# Altium PCB Kasli-DIOT.PCBDOC (part 20 of 21)
Units mm, origin at the board's own origin, x right, y up, seen from the top; angles counter-clockwise.
Board outline 222.34 x 100 mm, 10 copper layers (TopLayer, Layer 2, Layer 3, Layer 4, Layer 5, Layer 6, Layer 7, layer 8, Layer 9, BottomLayer), stack 1.564 mm thick; 974 components, 908 nets, 4662 pads, 2649 vias.
Unrouted connection lines stored in the file: 17.
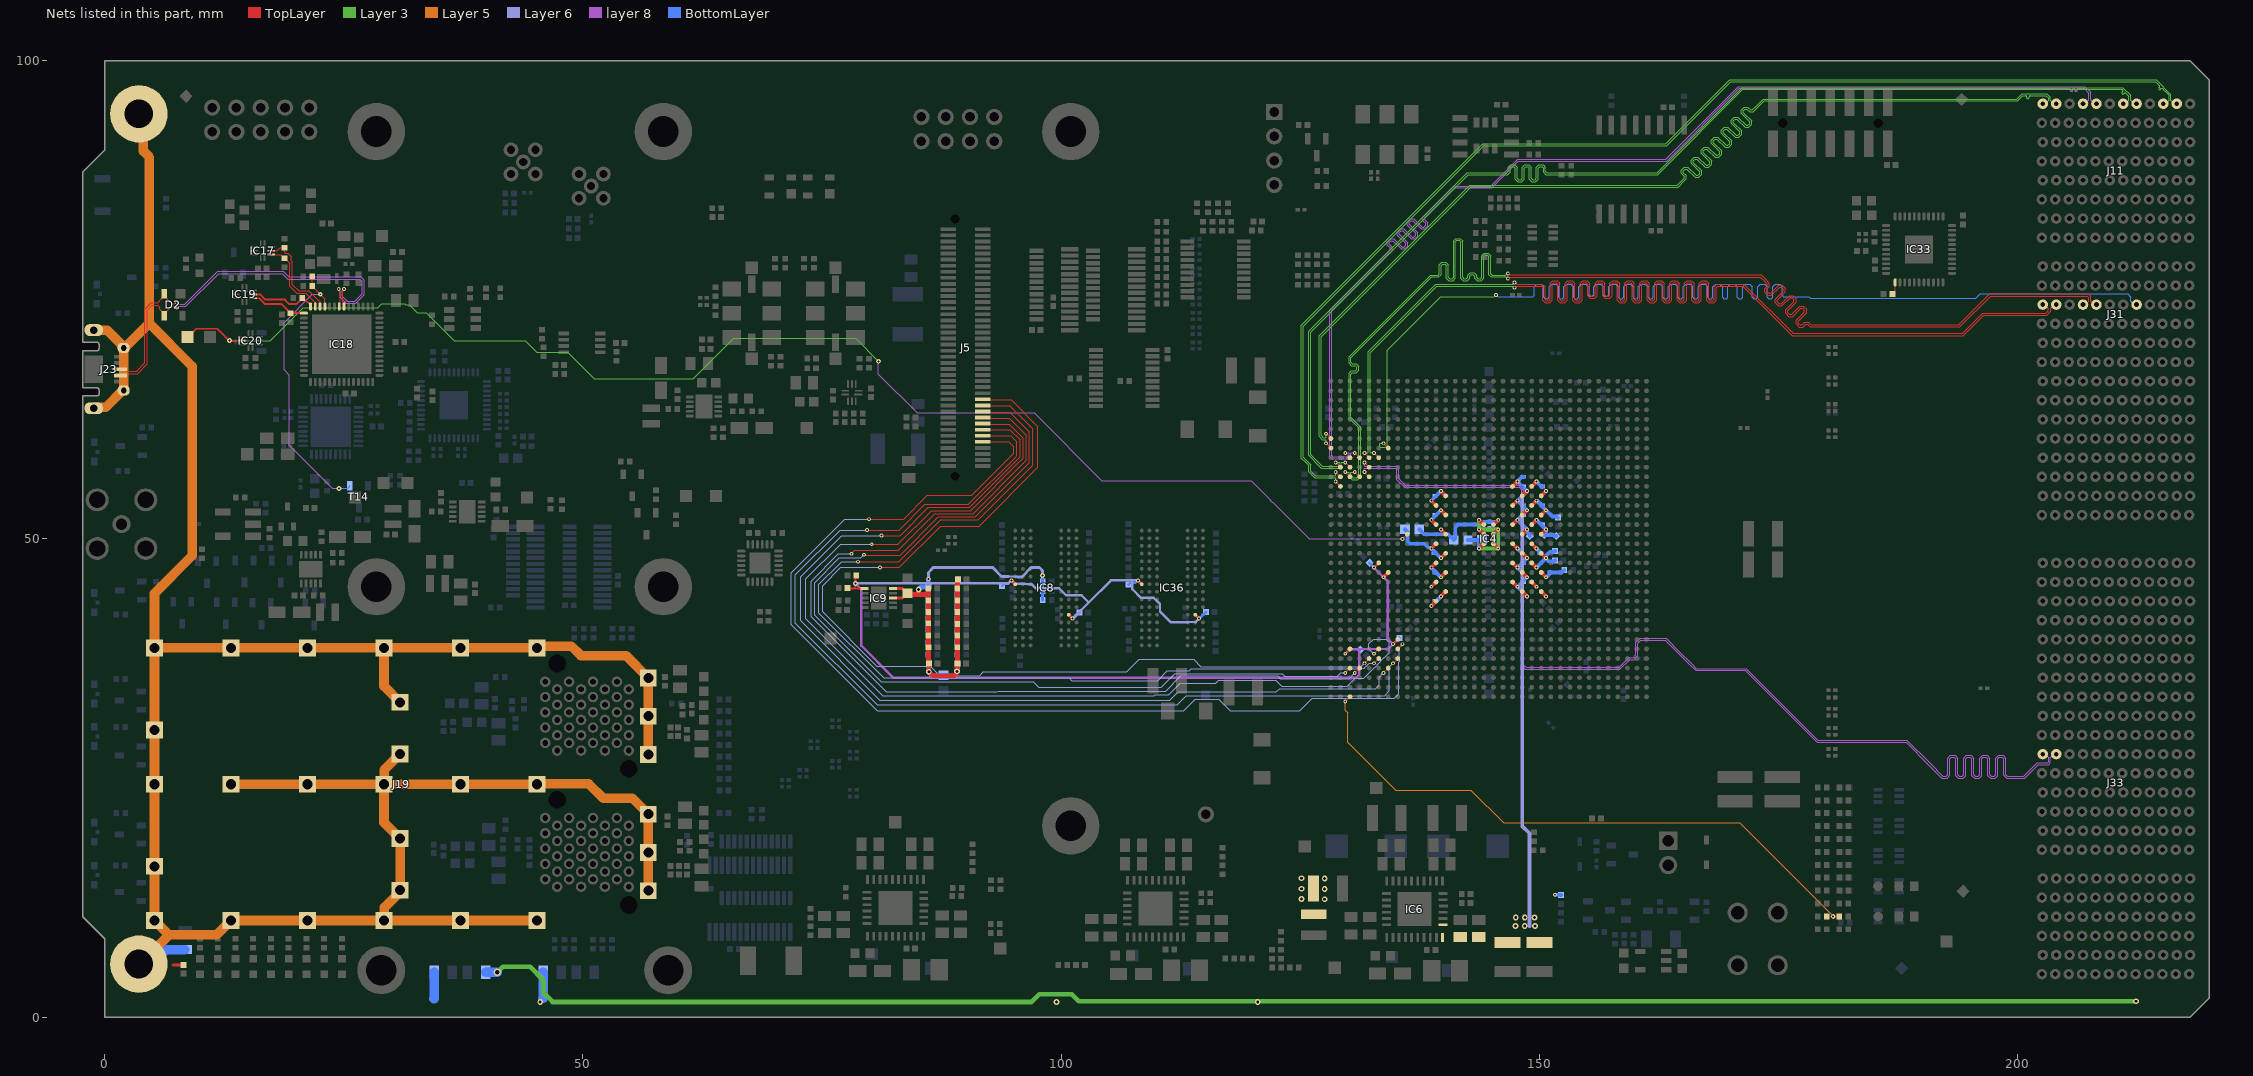
[diagram p28: the nets of this part, all layers, seen from the top]

## Via types
v1: diameter 0.4, hole 0.2, TopLayer to BottomLayer, tented both sides, 1661 vias
v2: diameter 0.5, hole 0.2, TopLayer to BottomLayer, tented both sides, 516 vias
v3: diameter 0.6, hole 0.3, TopLayer to BottomLayer, tented both sides, 175 vias
v4: diameter 0.6, hole 0.3, TopLayer to BottomLayer, 113 vias
v5: diameter 0.5, hole 0.2, TopLayer to BottomLayer, 110 vias
v6: diameter 0.4, hole 0.2, TopLayer to BottomLayer, 67 vias
v7: diameter 0.8, hole 0.5, TopLayer to BottomLayer, tented both sides, 7 vias

## Nets (pads, with @x,y where several pads share a name; then routed paths per layer and width w, separated by ;. In a path a pad name is that pad's centre, name@x,y a point inside that pad or via, vN(x,y) a via of type N, cw(c..) or ccw(c..) an arc to the next point about the centre after c; other vN are vias at no path point) (continued)
SLOT8.LVDS_8_P: IC4.H7 J31.E4 | length 134.8
  TopLayer w0.095: v1(133.7,60) IC4.H7@134.2,59.5
  Layer 3 w0.075: v1(133.7,60) 133.345,60 133.301,59.956 133.301,59.684 133.385,59.6 133.9,59.6 134.098,59.798 134.098,69.75 139.684,75.336 145.26,75.336 145.422,75.498 v1(145.466,75.498)
  BottomLayer w0.095: v1(145.466,75.498) 145.522,75.498 145.674,75.346 149.176,75.346 149.2,75.322 149.313,75.322 149.452,75.461 149.452,76.347 149.721,76.616 150.183,76.616 150.453,76.347 150.453,75.274 150.592,75.135 150.871,75.135 151.01,75.274 151.01,76.347 151.279,76.616 151.741,76.616 152.011,76.347 152.011,75.274 152.15,75.135 152.429,75.135 152.568,75.274 152.568,76.347 152.837,76.616 153.3,76.616 153.569,76.347 153.569,75.274 153.708,75.135 153.987,75.135 154.126,75.274 154.126,76.347 154.395,76.616 154.858,76.616 155.127,76.347 155.127,75.541 155.266,75.402 155.545,75.402 155.684,75.541 155.684,76.347 155.953,76.616 156.416,76.616 156.685,76.347 156.685,75.541 156.824,75.402 157.103,75.402 157.242,75.541 157.242,76.347 157.511,76.616 157.974,76.616 158.243,76.347 158.243,75.274 158.382,75.135 158.661,75.135 158.8,75.274 158.8,76.347 159.069,76.616 159.532,76.616 159.801,76.347 159.801,75.274 159.94,75.135 160.219,75.135 160.358,75.274 160.358,76.347 160.627,76.616 161.09,76.616 161.359,76.347 161.359,75.274 161.498,75.135 161.777,75.135 161.916,75.274 161.916,76.347 162.185,76.616 162.648,76.616 162.917,76.347 162.917,75.274 163.056,75.135 163.335,75.135 163.474,75.274 163.474,76.347 163.743,76.616 164.206,76.616 164.475,76.347 164.475,75.274 164.614,75.135 164.893,75.135 165.032,75.274 165.032,76.347 165.301,76.616 165.764,76.616 166.033,76.347 166.033,75.274 166.172,75.135 166.451,75.135 166.59,75.274 166.59,76.347 166.859,76.616 167.322,76.616 167.591,76.347 167.591,75.274 167.73,75.135 168.009,75.135 168.148,75.274 168.148,76.347 168.417,76.616 168.88,76.616 169.149,76.347 169.149,75.274 169.288,75.135 169.567,75.135 169.706,75.274 169.706,76.347 169.975,76.616 170.438,76.616 170.707,76.347 170.707,75.274 170.846,75.135 171.125,75.135 171.264,75.274 171.264,76.347 171.533,76.616 171.996,76.616 172.265,76.347 172.265,75.274 172.404,75.135 172.683,75.135 172.822,75.274 172.822,76.347 173.091,76.616 173.554,76.616 173.823,76.347 173.823,75.274 173.962,75.135 174.241,75.135 174.38,75.274 174.38,76.347 174.649,76.616 175.112,76.616 175.381,76.347 175.381,75.461 175.52,75.322 176.341,75.322 178.178,75.322 178.35,75.15 195.636,75.15 196.108,75.622 211.493,75.622 211.85,75.266 211.85,74.857 212.207,74.5 J31.E4@212.439,74.5
SLOT8.LVDS_9_N: IC4.L3 J31.I4 | length 127.6
  TopLayer w0.095: v1(129.7,57) IC4.L3@130.2,56.5 ; v1(146.7,77.232) 146.756,77.232 146.908,77.385 173.101,77.385 173.385,77.101 173.837,76.649 173.837,76.452 173.554,76.17 173.554,75.789 173.881,75.462 174.262,75.462 175.116,76.316 175.313,76.316 175.51,76.119 175.51,75.922 174.656,75.068 174.656,74.687 174.983,74.36 175.364,74.36 176.218,75.214 176.415,75.214 176.612,75.017 176.612,74.82 175.758,73.966 175.758,73.586 176.085,73.259 176.466,73.259 177.319,74.112 177.516,74.112 177.713,73.915 177.713,73.719 176.859,72.865 176.859,72.484 177.186,72.157 177.567,72.157 177.85,72.439 178.047,72.439 178.126,72.36 178.249,72.237 178.314,72.172 193.947,72.172 197.172,75.397 207.305,75.397 207.428,75.274 207.428,74.857 207.071,74.5 J31.I4@206.839,74.5
  Layer 3 w0.075: v1(129.7,57) 130.055,57 130.099,56.956 130.099,56.516 130.417,56.198 130.984,56.198 131.302,56.516 131.302,61.698 131.184,61.816 130.3,62.7 130.3,66.584 130.3,67.242 130.434,67.376 130.855,67.376 131.108,67.628 131.108,68.064 130.855,68.317 130.434,68.317 130.3,68.451 130.3,68.548 130.3,68.967 138.724,77.391 139.315,77.391 139.496,77.391 139.748,77.643 139.748,78.584 139.883,78.718 140.151,78.718 140.285,78.584 140.285,77.264 140.538,77.011 140.974,77.011 141.226,77.264 141.226,81.075 141.361,81.209 141.629,81.209 141.763,81.075 141.763,77.264 142.016,77.011 142.452,77.011 142.704,77.264 142.704,77.493 142.839,77.627 143.107,77.627 143.241,77.493 143.241,77.264 143.494,77.011 143.93,77.011 144.182,77.264 144.182,79.518 144.317,79.652 144.585,79.652 144.719,79.518 144.719,77.643 144.972,77.391 145.313,77.391 146.199,77.391 146.204,77.395 146.379,77.395 cw(c146.379,77.118) 146.468,77.38 cw(c146.379,77.118) 146.575,77.314 146.625,77.264 ccw(c146.7,77.339) v1(146.7,77.232)
SLOT8.LVDS_9_P: IC4.L4 J31.H4 | length 127.7
  TopLayer w0.095: v1(130.7,57) IC4.L4@131.2,56.5 ; v1(146.7,77.759) 146.756,77.759 146.908,77.607 173.003,77.607 173.193,77.607 173.542,77.258 174.059,76.741 174.059,76.36 173.776,76.078 173.776,75.881 173.973,75.684 174.17,75.684 175.024,76.538 175.405,76.538 175.732,76.211 175.732,75.83 174.878,74.976 174.878,74.779 175.075,74.582 175.272,74.582 176.126,75.436 176.507,75.436 176.834,75.109 176.834,74.728 175.98,73.874 175.98,73.678 176.177,73.481 176.374,73.481 177.227,74.334 177.608,74.334 177.935,74.007 177.935,73.627 177.081,72.773 177.081,72.576 177.278,72.379 177.475,72.379 177.758,72.661 178.139,72.661 178.204,72.596 178.283,72.517 178.406,72.394 193.855,72.394 197.08,75.619 207.397,75.619 207.65,75.366 207.65,74.857 208.007,74.5 J31.H4@208.239,74.5
  Layer 3 w0.075: v1(130.7,57) 130.345,57 130.301,56.956 130.301,56.6 130.501,56.4 130.9,56.4 131.1,56.6 131.1,61.614 130.216,62.498 130.098,62.616 130.098,66.584 130.098,67.325 130.351,67.578 130.772,67.578 130.906,67.712 130.906,67.981 130.772,68.115 130.351,68.115 130.098,68.367 130.098,68.548 130.098,69.05 138.641,77.593 139.315,77.593 139.412,77.593 139.546,77.727 139.546,78.668 139.799,78.92 140.235,78.92 140.487,78.668 140.487,77.347 140.622,77.213 140.89,77.213 141.024,77.347 141.024,81.159 141.277,81.411 141.713,81.411 141.965,81.159 141.965,77.347 142.1,77.213 142.368,77.213 142.502,77.347 142.502,77.576 142.755,77.829 143.191,77.829 143.443,77.576 143.443,77.347 143.578,77.213 143.846,77.213 143.98,77.347 143.98,79.601 144.233,79.854 144.669,79.854 144.921,79.601 144.921,77.727 145.056,77.593 145.313,77.593 146.116,77.593 146.12,77.597 146.379,77.597 ccw(c146.379,77.874) 146.467,77.612 ccw(c146.379,77.874) 146.575,77.678 146.625,77.728 cw(c146.7,77.653) v1(146.7,77.759)
SLOT8.LVDS_10_N: IC4.J5 J31.L4 | length 131.2
  TopLayer w0.095: v1(131.7,59) IC4.J5@132.2,58.5 ; v1(147.4,76.799) 147.456,76.799 147.608,76.646 148.865,76.646 150.322,76.646 150.591,76.377 150.591,75.063 150.73,74.924 151.009,74.924 151.148,75.063 151.148,76.721 151.417,76.99 151.88,76.99 152.149,76.721 152.149,75.063 152.288,74.924 152.567,74.924 152.706,75.063 152.706,76.721 152.975,76.99 153.438,76.99 153.707,76.721 153.707,75.063 153.846,74.924 154.125,74.924 154.264,75.063 154.264,76.721 154.533,76.99 154.996,76.99 155.265,76.721 155.265,75.541 155.404,75.402 155.683,75.402 155.822,75.541 155.822,76.721 156.091,76.99 156.554,76.99 156.823,76.721 156.823,75.541 156.962,75.402 157.241,75.402 157.38,75.541 157.38,76.721 157.649,76.99 158.112,76.99 158.381,76.721 158.381,75.063 158.52,74.924 158.799,74.924 158.938,75.063 158.938,76.721 159.207,76.99 159.67,76.99 159.939,76.721 159.939,75.063 160.078,74.924 160.357,74.924 160.496,75.063 160.496,76.721 160.765,76.99 161.228,76.99 161.497,76.721 161.497,75.063 161.636,74.924 161.915,74.924 162.054,75.063 162.054,76.721 162.323,76.99 162.786,76.99 163.055,76.721 163.055,75.063 163.194,74.924 163.473,74.924 163.612,75.063 163.612,76.721 163.881,76.99 164.344,76.99 164.613,76.721 164.613,75.063 164.752,74.924 165.031,74.924 165.17,75.063 165.17,76.721 165.439,76.99 165.902,76.99 166.171,76.721 166.171,75.063 166.31,74.924 166.589,74.924 166.728,75.063 166.728,76.721 166.997,76.99 167.46,76.99 167.729,76.721 167.729,75.063 167.868,74.924 168.147,74.924 168.286,75.063 168.286,76.377 168.555,76.646 168.76,76.646 171.372,76.646 176.533,71.484 194.245,71.484 196.361,73.6 202.949,73.6 203.228,73.879 203.228,74.143 202.871,74.5 J31.L4@202.639,74.5
  Layer 3 w0.075: v1(131.7,59) 132.055,59 132.099,59.044 132.099,59.122 132.098,59.123 132.098,69.55 139.184,76.636 147.194,76.636 147.356,76.799 v1(147.4,76.799)
SLOT8.LVDS_10_P: IC4.J6 J31.K4 | length 131.2
  TopLayer w0.095: v1(132.7,59) IC4.J6@133.2,58.5 ; v1(147.4,76.272) 147.456,76.272 147.608,76.424 148.865,76.424 150.23,76.424 150.369,76.285 150.369,74.971 150.638,74.702 151.101,74.702 151.37,74.971 151.37,76.629 151.509,76.768 151.788,76.768 151.927,76.629 151.927,74.971 152.196,74.702 152.659,74.702 152.928,74.971 152.928,76.629 153.067,76.768 153.346,76.768 153.485,76.629 153.485,74.971 153.754,74.702 154.217,74.702 154.486,74.971 154.486,76.629 154.625,76.768 154.904,76.768 155.043,76.629 155.043,75.449 155.312,75.18 155.775,75.18 156.044,75.449 156.044,76.629 156.183,76.768 156.462,76.768 156.601,76.629 156.601,75.449 156.87,75.18 157.333,75.18 157.602,75.449 157.602,76.629 157.741,76.768 158.02,76.768 158.159,76.629 158.159,74.971 158.428,74.702 158.891,74.702 159.16,74.971 159.16,76.629 159.299,76.768 159.578,76.768 159.717,76.629 159.717,74.971 159.986,74.702 160.449,74.702 160.718,74.971 160.718,76.629 160.857,76.768 161.136,76.768 161.275,76.629 161.275,74.971 161.544,74.702 162.007,74.702 162.276,74.971 162.276,76.629 162.415,76.768 162.694,76.768 162.833,76.629 162.833,74.971 163.102,74.702 163.565,74.702 163.834,74.971 163.834,76.629 163.973,76.768 164.252,76.768 164.391,76.629 164.391,74.971 164.66,74.702 165.123,74.702 165.392,74.971 165.392,76.629 165.531,76.768 165.81,76.768 165.949,76.629 165.949,74.971 166.218,74.702 166.681,74.702 166.95,74.971 166.95,76.629 167.089,76.768 167.368,76.768 167.507,76.629 167.507,74.971 167.776,74.702 168.239,74.702 168.508,74.971 168.508,76.285 168.647,76.424 168.76,76.424 171.28,76.424 176.441,71.262 177.224,71.262 194.115,71.262 194.337,71.262 196.453,73.378 203.041,73.378 203.45,73.787 203.45,74.143 203.807,74.5 J31.K4@204.039,74.5
  Layer 3 w0.075: v1(132.7,59) 132.345,59 132.301,59.044 132.301,59.205 132.3,59.206 132.3,69.466 139.268,76.434 147.194,76.434 147.356,76.272 v1(147.4,76.272)
SLOT8.LVDS_11_N: IC4.L2 J11.C8 | length 122.7
  TopLayer w0.095: v1(128.7,57) IC4.L2@129.2,56.5
  Layer 3 w0.075: v1(128.7,57) 128.7,56.645 128.656,56.601 126.589,56.601 126.085,57.105 126.085,57.772 125.714,58.143 125.324,58.532 125.324,72.24 144.182,91.098 163.298,91.098 170,97.8 214.413,97.8 214.631,97.581 214.658,97.555 214.825,97.387 cw(c214.742,97.303) 214.825,97.22 214.775,97.169 ccw(c214.859,97.086) 214.775,97.002 ccw(c214.859,97.086) 214.943,97.002 214.993,97.052 cw(c215.077,96.968) 215.161,97.052 215.342,96.87 215.369,96.844 215.838,96.375 215.838,96.039 215.838,95.893 215.445,95.5 J11.C8@215.239,95.5
SLOT8.LVDS_11_P: IC4.M2 J11.B8 | length 123.3
  TopLayer w0.095: v1(128.7,56) IC4.M2@129.2,55.5
  Layer 3 w0.075: v1(128.7,56) 128.7,56.355 128.656,56.399 126.505,56.399 125.883,57.021 125.883,57.688 125.5,58.071 125.122,58.449 125.122,72.324 144.098,91.3 163.214,91.3 169.916,98.002 214.496,98.002 216.04,96.459 216.04,95.955 216.04,95.893 216.432,95.5 J11.B8@216.639,95.5
SLOT8.LVDS_12_N: IC4.K2 J11.F8 | length 122.1
  TopLayer w0.095: v1(128.7,58) IC4.K2@129.2,57.5
  Layer 3 w0.075: v1(128.7,58) 129.055,58 129.099,57.956 129.099,57.728 128.971,57.6 127.286,57.6 127.043,57.843 126.075,58.811 126.075,71.63 142.545,88.1 146.508,88.1 146.689,88.1 146.941,88.353 146.941,88.774 147.076,88.908 147.344,88.908 147.478,88.774 147.478,87.628 147.731,87.375 148.167,87.375 148.419,87.628 148.419,88.774 148.554,88.908 148.822,88.908 148.956,88.774 148.956,87.628 149.209,87.375 149.645,87.375 149.897,87.628 149.897,88.774 150.032,88.908 150.3,88.908 150.434,88.774 150.434,88.353 150.687,88.1 151.517,88.1 162.382,88.1 171.28,96.998 210.748,96.998 210.928,96.998 210.99,96.936 cw(c210.907,96.852) 210.99,96.768 210.94,96.718 ccw(c211.024,96.634) 210.94,96.551 ccw(c211.024,96.634) 211.108,96.551 211.158,96.601 cw(c211.242,96.517) 211.326,96.601 211.458,96.468 211.485,96.442 211.638,96.289 211.638,95.861 211.277,95.5 J11.F8@211.039,95.5
SLOT8.LVDS_12_P: IC4.K3 J11.E8 | length 123
  TopLayer w0.095: v1(129.7,58) IC4.K3@130.2,57.5
  Layer 3 w0.075: v1(129.7,58) 129.345,58 129.301,57.956 129.301,57.644 129.055,57.398 127.202,57.398 126.971,57.629 125.873,58.727 125.873,71.713 142.462,88.302 146.508,88.302 146.605,88.302 146.739,88.436 146.739,88.857 146.992,89.11 147.428,89.11 147.68,88.857 147.68,87.711 147.815,87.577 148.083,87.577 148.217,87.711 148.217,88.857 148.47,89.11 148.906,89.11 149.158,88.857 149.158,87.711 149.293,87.577 149.561,87.577 149.695,87.711 149.695,88.857 149.948,89.11 150.384,89.11 150.636,88.857 150.636,88.436 150.771,88.302 151.517,88.302 162.298,88.302 171.196,97.2 211.012,97.2 211.84,96.372 211.84,95.861 212.201,95.5 J11.E8@212.439,95.5
SLOT8.LVDS_13_N: IC4.J3 J11.I8 | length 117.8
  TopLayer w0.095: v1(129.7,59) IC4.J3@130.2,58.5
  layer 8 w0.075: v1(129.7,59) 130.055,59 130.099,58.956 130.099,58.701 129.989,58.591 128.409,58.591 128.3,58.7 128.3,73.848 134.1,79.648 134.607,80.154 134.607,80.512 134.309,80.809 134.309,80.999 134.499,81.189 134.689,81.189 135.558,80.32 135.915,80.32 136.223,80.628 136.223,80.985 135.354,81.855 135.354,82.044 135.544,82.234 135.734,82.234 136.603,81.365 136.96,81.365 137.268,81.673 137.268,82.03 136.399,82.9 136.399,83.089 136.589,83.279 136.779,83.279 137.648,82.41 138.005,82.41 138.314,82.718 138.314,83.076 138.016,83.373 138.016,83.563 138.084,83.632 141.152,86.7 145,86.7 147.798,89.498 163.298,89.498 170.9,97.1 205.129,97.1 205.404,97.1 cw(c205.404,96.981) 205.522,96.981 205.522,96.91 ccw(c205.641,96.91) 205.759,96.91 205.759,96.981 cw(c205.878,96.981) 205.996,96.981 205.996,96.91 ccw(c206.115,96.91) 206.233,96.91 206.233,96.981 cw(c206.352,96.981) 206.352,97.1 206.887,97.1 206.95,97.1 207.438,96.612 207.438,96.051 207.438,95.905 207.033,95.5 J11.I8@206.839,95.5
SLOT8.LVDS_13_P: IC4.J4 J11.H8 | length 118.3
  TopLayer w0.095: v1(130.7,59) IC4.J4@131.2,58.5
  layer 8 w0.075: v1(130.7,59) 130.345,59 130.301,58.956 130.301,58.617 130.072,58.389 128.326,58.389 128.098,58.616 128.098,73.931 133.957,79.79 134.405,80.238 134.405,80.428 134.107,80.726 134.107,81.083 134.415,81.391 134.772,81.391 135.642,80.522 135.832,80.522 136.021,80.712 136.021,80.902 135.152,81.771 135.152,82.128 135.46,82.436 135.818,82.436 136.687,81.567 136.877,81.567 137.066,81.757 137.066,81.947 136.197,82.816 136.197,83.173 136.506,83.481 136.863,83.481 137.732,82.612 137.922,82.612 138.112,82.802 138.112,82.992 137.814,83.29 137.814,83.647 137.941,83.774 141.069,86.902 144.916,86.902 147.714,89.7 163.214,89.7 170.816,97.302 207.034,97.302 207.64,96.696 207.64,95.967 207.64,95.905 208.045,95.5 J11.H8@208.239,95.5
SLOT8.LVDS_14_N: IC4.G1 J11.L8 | length 117.9
  TopLayer w0.095: v1(127.7,61) IC4.G1@128.2,60.5
  Layer 3 w0.075: v1(127.7,61) 127.7,60.645 127.656,60.601 127.399,60.601 127.167,60.833 127.167,71.166 142.799,86.798 164.498,86.798 165.218,87.518 165.345,87.645 165.345,88.003 165.048,88.3 165.048,88.49 165.237,88.68 165.427,88.68 166.296,87.811 166.654,87.811 166.962,88.119 166.962,88.476 166.093,89.345 166.093,89.535 166.283,89.725 166.472,89.725 167.342,88.856 167.699,88.856 168.007,89.164 168.007,89.521 167.138,90.391 167.138,90.58 167.328,90.77 167.517,90.77 168.387,89.901 168.744,89.901 169.052,90.209 169.052,90.567 168.183,91.436 168.183,91.626 168.373,91.815 168.563,91.815 169.432,90.946 169.789,90.946 170.097,91.254 170.097,91.612 169.228,92.481 169.228,92.671 169.418,92.861 169.608,92.861 170.477,91.991 170.834,91.991 171.142,92.3 171.142,92.657 170.273,93.526 170.273,93.716 170.463,93.906 170.653,93.906 171.522,93.036 171.879,93.036 172.187,93.345 172.187,93.702 171.318,94.571 171.318,94.761 171.508,94.951 171.698,94.951 171.996,94.653 172.353,94.653 172.75,95.05 173.498,95.798 199.998,95.798 200.545,96.345 200.575,96.345 200.85,96.345 cw(c200.85,96.227) 200.968,96.227 200.968,96.156 ccw(c201.087,96.156) 201.205,96.156 201.205,96.227 cw(c201.324,96.227) 201.324,96.345 201.75,96.345 202.969,96.345 203.238,96.077 203.238,95.861 202.877,95.5 J11.L8@202.639,95.5
SLOT8.LVDS_14_P: IC4.H1 J11.K8 | length 118.5
  TopLayer w0.095: v1(127.7,60) IC4.H1@128.2,59.5
  Layer 3 w0.075: v1(127.7,60) 127.7,60.355 127.656,60.399 127.316,60.399 126.965,60.75 126.965,71.048 126.965,71.25 142.715,87 164.414,87 165.075,87.661 165.143,87.729 165.143,87.919 164.846,88.217 164.846,88.574 165.154,88.882 165.511,88.882 166.38,88.013 166.57,88.013 166.76,88.203 166.76,88.393 165.891,89.262 165.891,89.619 166.199,89.927 166.556,89.927 167.425,89.058 167.615,89.058 167.805,89.248 167.805,89.438 166.936,90.307 166.936,90.664 167.244,90.972 167.601,90.972 168.47,90.103 168.66,90.103 168.85,90.293 168.85,90.483 167.981,91.352 167.981,91.709 168.289,92.017 168.646,92.017 169.515,91.148 169.705,91.148 169.895,91.338 169.895,91.528 169.026,92.397 169.026,92.754 169.334,93.063 169.691,93.063 170.561,92.193 170.75,92.193 170.94,92.383 170.94,92.573 170.071,93.442 170.071,93.799 170.379,94.108 170.736,94.108 171.606,93.238 171.795,93.238 171.985,93.428 171.985,93.618 171.116,94.487 171.116,94.845 171.424,95.153 171.782,95.153 172.079,94.855 172.269,94.855 172.607,95.193 173.414,96 199.914,96 200.461,96.547 203.053,96.547 203.44,96.16 203.44,95.861 203.801,95.5 J11.K8@204.039,95.5
SLOT8.LVDS_15_N: IC4.K5 J33.L6 | length 117.9
  TopLayer w0.095: v1(131.7,58) IC4.K5@132.2,57.5
  layer 8 w0.075: v1(131.7,58) 131.7,57.645 131.744,57.601 135.068,57.601 135.314,57.355 135.314,56.286 135.998,55.602 147.984,55.602 148.102,55.484 148.143,55.443 148.336,55.25 148.336,36.849 148.605,36.579 158.329,36.579 159.349,37.599 159.814,37.599 160.098,37.883 160.098,39.199 160.501,39.602 163.26,39.602 164.636,38.226 165.868,36.994 166.408,36.454 171.62,36.454 179.125,28.949 188.432,28.949 190.801,26.58 192.178,25.203 192.446,25.203 192.543,25.203 192.702,25.363 192.702,27.086 192.979,27.363 193.465,27.363 193.743,27.086 193.743,25.336 193.902,25.177 194.221,25.177 194.38,25.336 194.38,27.086 194.657,27.363 195.143,27.363 195.421,27.086 195.421,25.336 195.58,25.177 195.899,25.177 196.058,25.336 196.058,27.086 196.335,27.363 196.821,27.363 197.099,27.086 197.099,25.35 197.258,25.191 197.577,25.191 197.736,25.35 197.736,27.086 198.013,27.363 198.499,27.363 198.777,27.086 198.777,25.363 198.936,25.203 200.253,25.203 200.66,25.203 202.057,26.6 203.149,26.6 203.238,26.689 203.238,27.139 202.877,27.5 J33.L6@202.639,27.5
SLOT8.LVDS_15_P: IC4.L5 J33.K6 | length 118.2
  TopLayer w0.095: v1(131.7,57) IC4.L5@132.2,56.5
  layer 8 w0.075: v1(131.7,57) 131.7,57.355 131.744,57.399 134.984,57.399 135.112,57.272 135.112,56.202 135.914,55.4 147.9,55.4 148.134,55.167 148.134,36.765 148.259,36.64 148.522,36.377 158.413,36.377 159.432,37.397 159.898,37.397 160.3,37.799 160.3,39.115 160.585,39.4 163.176,39.4 164.434,38.143 165.654,36.922 166.324,36.252 171.536,36.252 179.041,28.747 188.348,28.747 190.729,26.366 192.094,25.001 192.446,25.001 192.626,25.001 192.904,25.279 192.904,27.002 193.063,27.161 193.382,27.161 193.541,27.002 193.541,25.253 193.818,24.975 194.304,24.975 194.582,25.253 194.582,27.002 194.741,27.161 195.06,27.161 195.219,27.002 195.219,25.253 195.496,24.975 195.982,24.975 196.26,25.253 196.26,27.002 196.419,27.161 196.738,27.161 196.897,27.002 196.897,25.266 197.174,24.989 197.66,24.989 197.938,25.266 197.938,27.002 198.097,27.161 198.416,27.161 198.575,27.002 198.575,25.279 198.852,25.001 200.253,25.001 200.744,25.001 202.141,26.398 203.233,26.398 203.44,26.605 203.44,27.139 203.801,27.5 J33.K6@204.039,27.5
SRC_CLK_SEL_R: IC33.23 R155.2 | length 1.3
  TopLayer w0.127: R155.2@186.92,75.625 186.92,75.645 187.2,75.925 IC33.23@187.2,76.825
STRIP1: R71.1 | length 175.7
  Layer 3 w0.5: v7(41.047,4.687) 41.634,5.273 44.465,5.273 45.875,3.864 45.875,2.552 46.827,1.6 96.9,1.6 97.7,2.4 101.125,2.4 101.861,1.664 v3@212.362,1.664
  BottomLayer w1: R71.1@39.813,4.7 39.813,4.687 v7(41.047,4.687)
  other v3: 120.55,1.575 212.389,1.664
STRIP2: R69.1 | length 2.8
  BottomLayer w1: 45.775,2 45.85,2 R69.1@45.85,4.7
  other v3: 45.525,1.575 99.5,1.575
STRIP3: C396.1 J19.SHIELD J23.6 M1.1 M2.1 R68.1 R72.2 | length 299.3
  TopLayer w0.3: 7.15,5.45 C396.1@8.225,5.45
  Layer 5 w1: J23.6@-1.15,63.662 -1.038,63.775 0.125,63.775 1.875,65.525 J23.6@1.975,65.525 J23.6@1.975,70.1 ; J23.6@-1.15,71.838 -1.145,71.833 0.242,71.833 1.85,70.225 1.85,70 1.875,69.975 J23.6@1.975,69.975 ; J23.6@2.075,69.975 4.625,72.525 4.675,72.525 ; M1.1@3.57,5.55 3.655,5.55 6.705,8.6 ; M2.1@3.57,94.45 4.042,93.978 4.042,90.558 4.675,89.925 4.675,72.525 ; J19.SHIELD@13.2,24.355 J19.SHIELD@21.2,24.355 J19.SHIELD@29.2,24.355 ; J19.SHIELD@30.88,27.525 29.244,25.889 29.244,24.399 J19.SHIELD@29.2,24.355 ; J19.SHIELD@30.88,32.925 29.2,34.605 J19.SHIELD@29.2,38.605 ; J19.SHIELD@45.2,10.105 J19.SHIELD@37.2,10.105 J19.SHIELD@29.2,10.105 ; J19.SHIELD@56.83,13.225 J19.SHIELD@56.83,17.225 J19.SHIELD@56.83,21.225 55.155,22.9 52.1,22.9 50.596,24.404 45.249,24.404 J19.SHIELD@45.2,24.355 J19.SHIELD@37.2,24.355 J19.SHIELD@29.2,24.355 ; J19.SHIELD@56.83,27.475 J19.SHIELD@56.83,31.475 J19.SHIELD@56.83,35.475 54.505,37.8 49.775,37.8 48.775,38.8 45.395,38.8 J19.SHIELD@45.2,38.605 J19.SHIELD@37.2,38.605 J19.SHIELD@29.2,38.605 ; 4.675,72.525 9.15,68.05 9.15,48.25 5.2,44.3 J19.SHIELD@5.2,38.605 ; J19.SHIELD@5.2,38.605 J19.SHIELD@5.2,30.025 J19.SHIELD@5.2,24.355 J19.SHIELD@5.2,10.105 6.705,8.6 ; J19.SHIELD@5.2,38.605 J19.SHIELD@13.2,38.605 J19.SHIELD@21.2,38.605 J19.SHIELD@29.2,38.605 ; 6.705,8.6 11.695,8.6 J19.SHIELD@13.2,10.105 J19.SHIELD@21.2,10.105 J19.SHIELD@29.2,10.105 ; J19.SHIELD@29.2,10.105 29.243,10.148 29.243,11.48 30.505,12.742 30.505,12.9 J19.SHIELD@30.88,13.275 J19.SHIELD@30.88,18.675 29.2,20.355 J19.SHIELD@29.2,24.355